# KiCad board cyberdeck-alpha.kicad_pcb (continued)
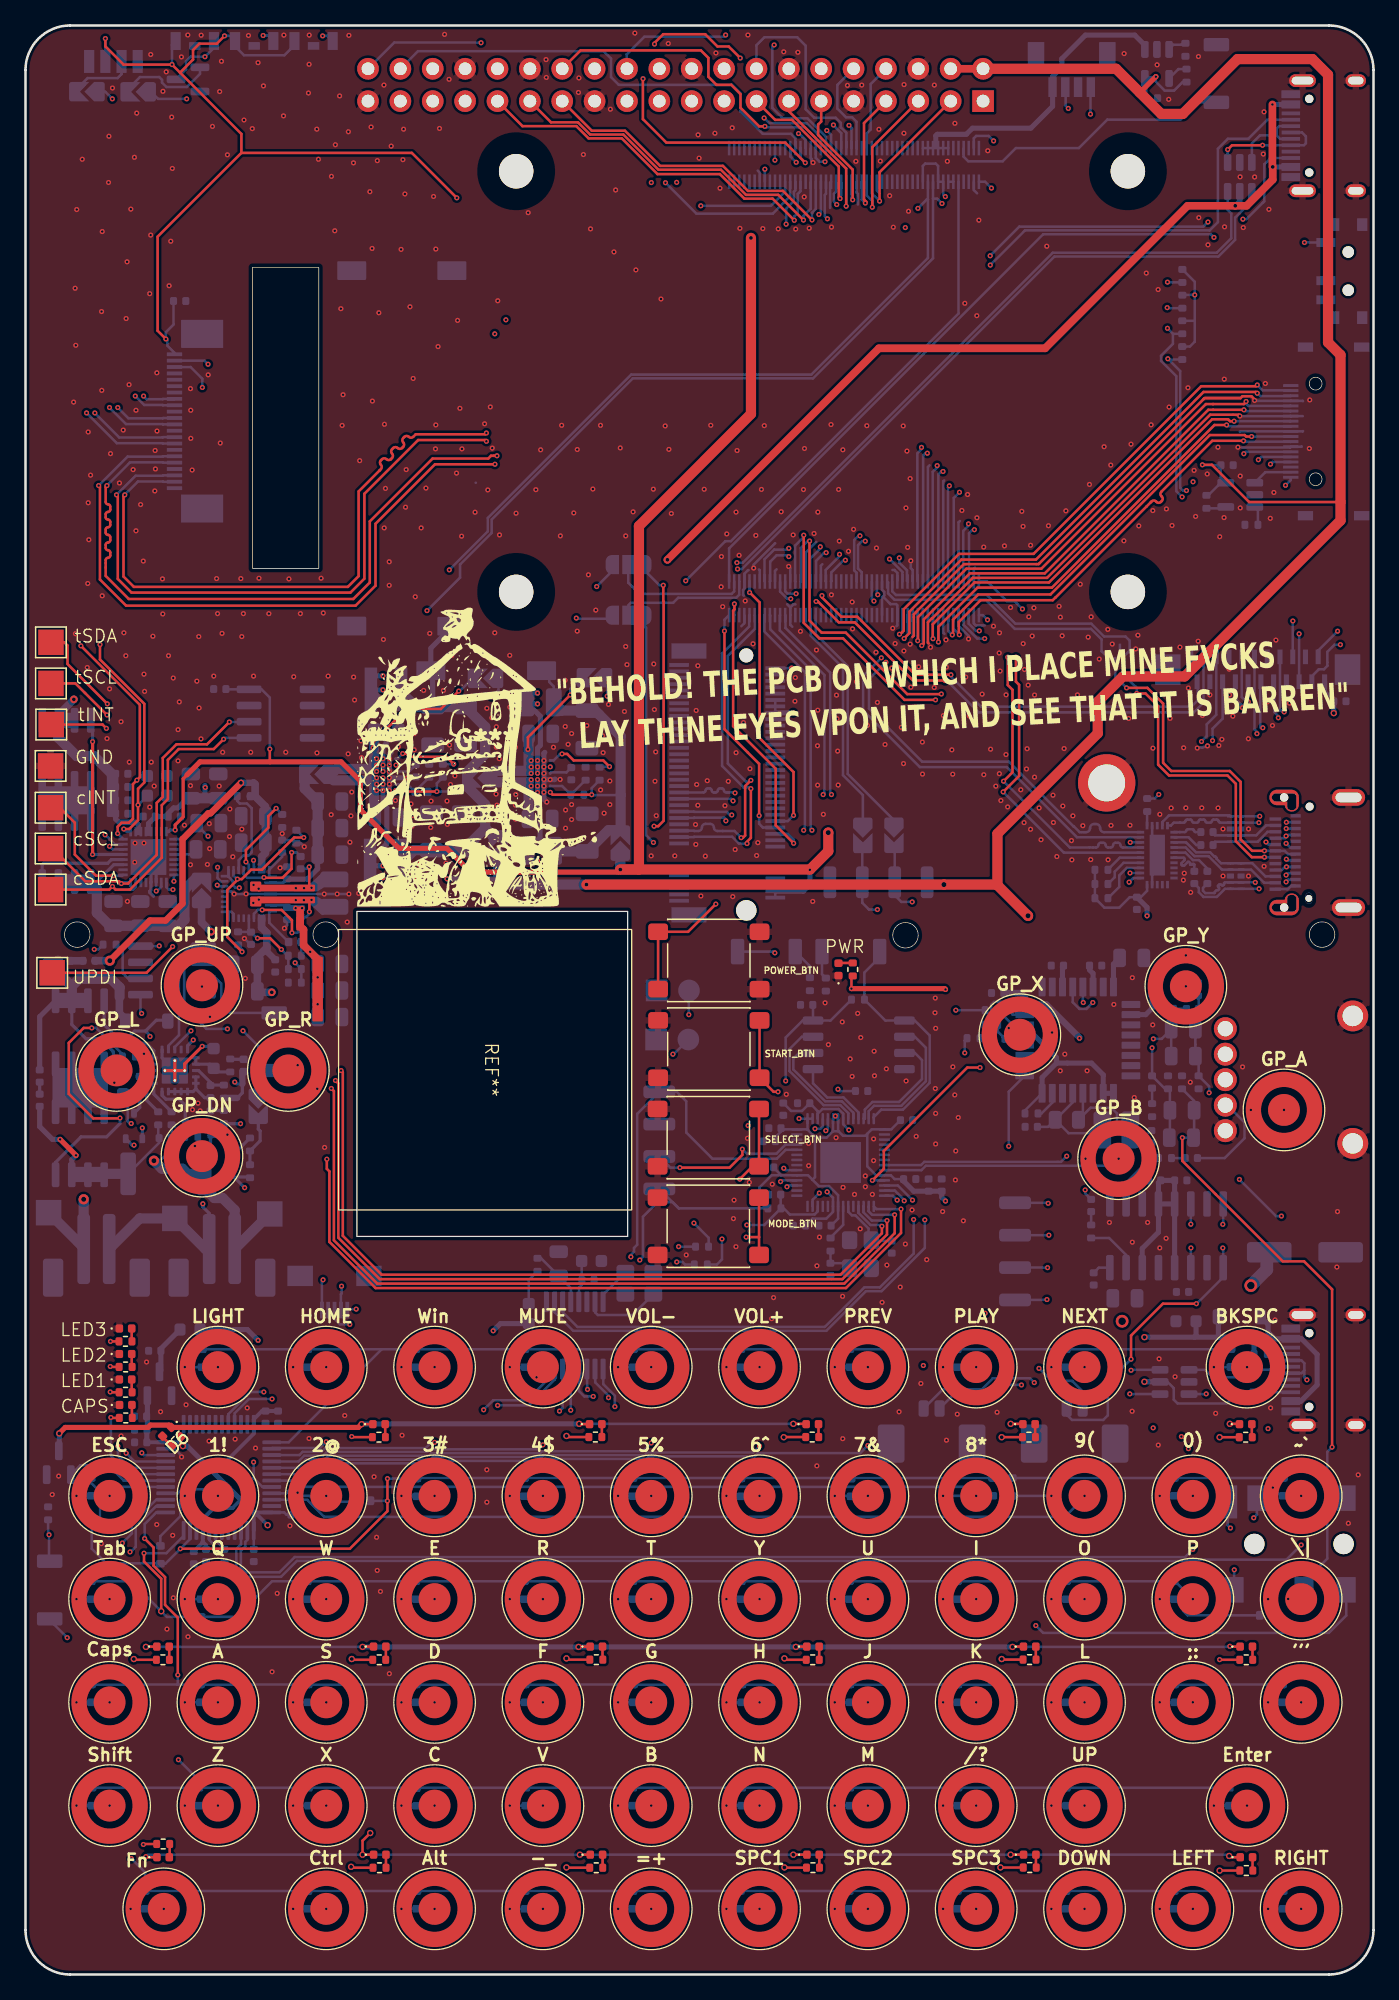
[diagram p0: board, top side]
## Nets (continued)
Net-(U12-~{EN}): R56.1 U12.4
Net-(U12-~{RSET}): R62.2 U12.3
Net-(U15-~{EN}): R61.1 U15.4
Net-(U15-~{RSET}): R63.2 U15.3
Net-(U16-SRN): R93.1 U16.7
Net-(U16-SRP): R92.2 U16.6
Net-(U17-PA6): R66.2 U17.2
Net-(U18-I2Ct_IRQ): TP6.1 U18.10
Net-(U18-I2Ct_SCL): TP8.1 U18.9
Net-(U18-I2Ct_SDA): TP7.1 U18.8
Net-(U18-LDO_1V5): C105.1 U18.4
Net-(U19-CURRENT_MODE): R69.2 U19.3
Net-(U19-DIR): R67.2 U19.11
Net-(U19-PORT): R70.2 U19.4
Net-(U19-TX1N): C73.1 U19.16
Net-(U19-TX1P): C72.1 U19.17
Net-(U19-TX2N): C75.1 U19.20
Net-(U19-TX2P): C74.1 U19.21
Net-(U19-VBUS_DET): R68.2 U19.5

Pads without a net: BT1 MP; BT2 MP; C20 1; J6 A8 B8; J11 5 6 MP; J12 17; J13 A8 B8; J16 5 6 7 8 10 11 13 17 19 20 22 23 24 25 26 28 29 30 31 32 34 35 36 37 38 40 42 44 46 48 56 58 67 68 69; J20 MP; J21 A8 B8; LS1 MP; LS2 MP; Module2 3 4 5 6 9 10 11 12 15 17 18 20 21 57 61 62 63 64 67 68 69 70 72 73 75 89 91 95 99; Module3 111 143 145 146 147 148 149 152 154 158 160 164 166; S1 3 MP; U4 6 7 12; U5 2 3 4 5 28 35 36 37 40 41; U7 9; U8 5; U9 4 5 6 7 8 11 14 18 19; U16 14; U17 3; U18 2 3 5 6 7 13 18 30 31; U19 22 23 24 25 26 27

## Via types
v1: diameter 0.4, hole 0.2, Top to Bottom, 1370 vias
v2: diameter 0.5, hole 0.3, Top to Bottom, 38 vias
v3: diameter 0.6, hole 0.3, Top to Bottom, 9 vias
v4: diameter 0.8, hole 0.4, Top to Bottom, 6 vias
v5: diameter 1, hole 0.6, Top to Bottom, 2 vias

## Routing (per net, layer and track width the routed paths; a pad name or vN(x,y) marks a point on that pad's centre or on a via; arc(x,y) is an arc through that point)
+3.3V: length 351
  Top w0.2: R3.2 12.19,41.61 v2(12.35,41.45) ; R7.2 9.29,10.24 v1(9.25,10.2) ; v2(93.7,8.15) 93.71,8.16 R2.2 ; R9.2 25.65,42.16 v1(25.6,42.2) ; R8.2 76.51,8.39 v2(76.5,8.4) ; R6.2 v2(93.7,42.15) ; v2(59.5,42.15) 59.52,42.17 R18.2 ; v2(59.55,24.8) 59.66,24.69 R16.2 ; R17.2 42.55,24.7 v2(42.45,24.8) ; v1(93.7,24.7) 93.71,24.69 R4.2 ; R19.2 42.48,8.38 v2(42.45,8.4) ; R11.2 25.66,24.69 v2(25.6,24.75) ; v2(76.6,42.15) 76.61,42.16 R12.2 ; v2(59.55,8.4) 59.57,8.38 R14.2 ; v2(25.55,8.45) 25.63,8.38 R13.2 ; R15.2 42.54,42.17 v2(42.45,42.25) ; R5.2 8.56,24.69 v2(8.5,24.75) ; v2(76.6,24.75) 76.65,24.71 R10.2
  In1.Cu w0.2: v2(25.55,8.45) 25.6,8.5 v2(25.6,24.75) 25.65,24.8 ; v1(93.7,24.7) 92.73,23.73 77.63,23.73 v2(76.6,24.75) ; v2(59.5,42.15) 59.55,42.1 v2(59.55,24.8) ; v1(9.25,10.2) 8.5,10.95 v2(8.5,24.75) 4.95,24.75 v1(3.28,26.43) ; 25.6,33.85 v1(25.6,42.2) ; v2(42.45,42.25) v2(42.45,24.8) v2(42.45,8.4) ; v2(76.6,24.75) 76.5,24.65 v2(76.5,8.4) ; v2(76.6,24.75) v2(76.6,42.15) ; 59.6,24.75 v2(59.55,24.8) ; v2(59.55,24.8) v2(59.55,8.4) ; v2(93.7,42.15) v2(93.7,8.15)
  In1.Cu w0.4: v2(19,35.25) 20.4,33.85 25.6,33.85 v2(25.6,24.75) v2(8.5,24.75) ; 25.65,24.8 v2(42.45,24.8) v2(59.55,24.8) ; v2(76.6,24.75) 59.6,24.75
  Bottom w0.2: U2.48 20.3,36.25 20.48,36.08 C7.2 ; 1.85,27.88 1.85,27.85 v1(3.28,26.43) ; U2.1 C4.2 ; 9.56,43.79 9.56,43.79
  Bottom w0.3: v2(19,35.25) 18.15,36.1 18.05,36.1 ; U2.1 17.91,35.96 18.05,36.1 ; 14.8,39.35 14.84,39.35 17.91,42.43 U2.36 17.91,43.56 18.55,44.2 C10.2 C11.2 ; C9.2 13.9,33.88 13.9,33.95 ; C8.2 14.16,33.69 13.9,33.95 ; 18.05,36.1 18.2,36.25 U2.48 ; 16.9,37.25 16.25,36.6 14.78,36.6 13.91,35.74 U2.9 13.91,33.96 13.9,33.95 ; C5.2 U2.24 12.05,41.75 v2(12.35,41.45)
  Bottom w0.4: 18.05,36.1 12.7,41.45 v2(12.35,41.45) ; C5.2 C6.2 9.56,42.78 U3.2
+3.3V_MAIN: length 502
  Top w0.2: v1(6.27,151.88) 6.27,151.27 7.7,149.84 v1(11.5,149.84) 12.13,149.21 ; 19.2,95.14 19.17,95.16 v1(19.17,96.14) ; 12.13,149.21 13.15,150.23 13.15,150.98 13.65,151.48 15.01,151.48 v1(15.62,152.09) ; 12.13,149.21 16.94,144.39 16.94,142.91 ; v1(11.02,128.31) 10.37,128.96 10.37,136.33 16.94,142.91 ; 16.94,142.91 30.32,142.91 v1(33.84,139.38) ; v1(64.81,77.34) 64.81,78.23 R24.1
  Top w0.25: v1(11.75,89.79) 11.75,90.19 12.37,90.81 12.37,93.81 12.67,94.11
  Top w0.4: v1(64.81,77.34) 72.13,77.34 v1(72.19,77.28) ; 12.67,94.11 13.7,95.14 24.77,95.14 26.28,93.63 26.28,91.38 29.31,88.35 33.07,88.35 34.93,86.49 46.48,86.49 v3(46.68,86.69)
  Top w0.8: v4(62.99,89.58) 62.99,88.12 61.56,86.69 v3(46.68,86.69) 48.14,86.69 48.14,113.64 56.93,122.43 v3(56.93,136.24)
  In1.Cu w0.2: v1(86.69,88.82) 88.09,90.22 88.09,91.77 88.9,92.58 v1(88.93,92.58) 88.93,95.55 ; v4(62.99,89.58) 62.97,89.58 ; v1(25.95,52.2) 26.62,52.87 31.55,52.87 32.92,54.25 45.6,54.25 47.15,55.8 47.95,55.8 v1(48.2,56.05) ; v1(60.25,98.99) 60.23,99.01 59.77,99.01 59.37,99.41 59.37,102.5 ; 59.37,102.5 59.37,113.68 33.84,139.21 v1(33.84,139.38) ; 59.37,102.5 v1(60.12,102.5)
  In1.Cu w0.4: v2(102.66,98.96) 101.97,98.27 99.95,98.27 97.23,95.55 87.83,95.55 87.23,96.15 83.03,96.15 76.46,89.58 63,89.58 v4(62.99,89.58) 65.76,86.81 65.76,78.3 v1(64.81,77.34) ; v1(72.19,77.28) 72.04,77.13 72.04,60.83 v1(72.19,60.68) ; 62.97,89.58 60.25,92.31 v1(60.25,98.99)
  In1.Cu w0.8: J15.17 58.47,143.32 72.55,143.32 75.14,145.91 J15.1 ; 59.64,143.32 59.64,140.77 56.93,138.06 v3(56.93,136.24)
  In2.Cu w0.2: v1(63.75,69.45) 63.35,69.05 63.35,67.55 v1(63.55,67.35) ; v1(59.65,70.1) 59.65,69.85 60.7,68.8 v1(60.7,67.15)
  Bottom w0.2: v1(60.12,102.5) 60.1,102.48 J16.2 J16.4 ; v1(63.75,69.45) 63.89,69.31 C29.2 ; 51.26,60.1 R31.2 58.1,60.1 57.6,60.6 57.6,61.75 58.55,62.7 59.3,62.7 ; 51.26,60.1 50.77,60.6 49.6,60.6 48.45,59.45 48.45,56.3 v1(48.2,56.05) ; 51.26,60.1 J4.1 ; v1(60.7,67.15) 60.71,67.14 U5.43 ; J11.1 11.69,127.22 11.14,127.78 11.14,128.19 v1(11.02,128.31) 11.02,128.84 11.62,129.44 C79.1 ; U1.8 60.98,74.84 59.65,73.5 v1(59.65,70.1) ; U1.8 61.8,76.05 C35.1 ; U1.8 63.17,74.84 R26.1 ; J16.70 J16.72 J16.74 ; C31.2 68.2,62.4 67.9,62.7 U5.10 66.75,62.7 66.05,63.4 66.05,65.95 ; C123.1 15.75,100.82 U22.8 18.52,100.82 19.17,100.17 v1(19.17,96.14) ; U5.43 61.36,66.31 61.35,66.3 ; U5.43 U5.44 ; v1(15.62,152.09) 16.04,152.09 D28.1 ; C23.2 63.76,59.3 U5.22 63.76,61.14 63.05,61.85 62.25,61.85 61.75,62.35 61.75,62.35 ; J7.5 25.33,52.2 v1(25.95,52.2) ; 59.3,62.7 58.71,63.29 58.71,63.48 ; 59.3,62.7 U5.33 61.4,62.7 61.75,62.35 ; 66.05,65.95 66.4,66.3 U5.1 67.93,66.3 C30.2 ; 66.05,65.95 65.9,65.8 64.15,65.8 63.8,66.15 63.35,66.15 62.85,65.65 62,65.65 61.75,65.9 ; D27.1 11.5,151.39 v1(11.5,149.84) ; 61.75,62.35 61.95,62.55 61.95,65.7 61.75,65.9 ; U19.8 v1(86.69,88.82) ; 16.46,151.67 16.46,151.25 17.15,150.57 20.32,150.57 21.11,151.36 D29.1 ; 61.35,66.3 U5.42 59.38,66.3 C27.2 59.28,66.13 58.84,65.69 C25.2 ; 61.35,66.3 61.75,65.9 ; 63.36,66.15 U5.48 63.55,67.33 v1(63.55,67.35) U5.49 63.76,66.15 ; R67.1 88.61,92.26 v1(88.93,92.58) ; v1(6.27,151.88) J19.2 ; 64.8,77.35 v1(64.81,77.34) ; J16.12 J16.18
  Bottom w0.25: U18.32 11.22,89.66 11.35,89.79 v1(11.75,89.79)
  Bottom w0.4: v1(61.55,86.67) 61.55,85.5 61.03,84.98 J16.72 ; J20.1 101.94,100.61 C83.1 v2(102.66,98.96) ; J16.16 60.24,98.98 v1(60.25,98.99) ; v1(72.19,60.68) 71.89,60.98 71.89,61.45 69.7,61.45 68.9,62.25 C31.2 68.92,62.4
  Bottom w0.8: SJ13.1 46.67,87.03 46.68,87.03 v3(46.68,86.69)
+5V_CM5: length 24.9
  Bottom w0.2: Module2.77 Module2.87
  Bottom w0.4: 71.43,143.41 71.43,144.25 71.55,144.37 73.83,144.37 74.31,144.85 78.89,144.85 80.59,146.55 J1.4 80.59,148.89 81.32,149.62 81.32,150.3 83.17,152.15 87.04,152.15 87.83,151.35 U15.1
+5V_HDMI: length 3.2
  Bottom w0.2: U12.1 97.28,117.86 J12.18
+5V_HUB: length 2.8
  Bottom w0.2: F3.2 39.49,54.48 R42.2
+5V_KB: length 4
  Bottom w0.4: F1.2 10.62,49.09 C2.1 ; 10.65,48.96 C2.1 ; C2.1 10.62,47.4 U3.3
+5V_MAIN: length 413.5
  Top w0.2: 103.19,115.52 96.02,115.52 93.1,118.44 v1(92.35,118.44)
  Top w0.4: v1(88.7,148.89) 87.45,147.64 87.44,147.64
  Top w0.6: J15.2 J15.4
  Top w0.8: 76.24,85.48 76.22,85.51 v4(72.07,85.51) v3(44.02,85.51) ; 76.24,85.48 76.27,85.51 76.27,89.5 84.14,97.37 84.14,99.86 86.12,101.84 90.96,101.84 103.19,114.07 103.19,127.06 102.21,128.04 102.21,149.04 100.98,150.27 95.11,150.27 90.81,145.97 89.12,145.97 85.58,149.51 J15.2 ; 76.24,85.48 v4(78.67,83.06)
  In1.Cu w0.4: v1(98.92,89.32) 99.25,89.32 99.62,88.95 99.62,87.29 ; v1(33.08,85.96) 31.8,84.68 28.27,84.68 18.59,94.36 15.34,94.36 v1(14.11,93.13) ; v1(98.95,86.9) 99.23,86.9 99.62,87.29 ; v1(82.7,73.45) 82.7,74.3 78.67,78.33 v4(78.67,83.06) v1(88.01,83.06) 96.22,83.06 96.79,82.49 99.86,82.49 100.59,83.22 101.24,83.22 101.76,83.74 101.76,85.9 100.37,87.29 99.62,87.29
  In2.Cu w0.4: v1(82.7,73.45) 82.4,73.15 82.4,69.2 78.65,65.45 78.65,50.5 ; 78.65,50.5 36.65,50.5 35.9,49.75 v1(18.25,49.75) ; 78.65,50.5 85.3,50.5 v5(86.05,51.25)
  In2.Cu w1: v5(86.05,51.25) 88.85,54.05 v5(96.15,54.05)
  Bottom w0.2: U19.30 88.01,85.02 87.51,84.52 C17.1 86.65,84.52 85.83,83.7 84.66,83.7 R69.1 R68.1 ; v1(92.35,118.44) 92.38,118.41 C66.2 ; v1(88.7,148.89) 88.7,148.49 89.39,147.8 90.13,147.8 90.79,148.46 R61.2 ; J21.A4 98.82,89.15 99.07,89.4 J21.B9 ; R56.2 92.8,116.04 93.79,117.03 U12.5 93.79,117.42 93.79,118.41 ; J21.B4 v1(98.95,86.9) 98.83,86.9 98.58,86.65 J21.A9
  Bottom w0.4: v1(36.7,50.5) 37.26,51.06 F3.1 ; v1(18.25,49.75) 17.4,50.6 F1.1 ; U8.12 88.9,62.12 C36.1 C53.2 U8.13 ; U8.12 88.9,58.23 87.63,56.96 U8.6 ; U8.12 U8.13 ; v1(88.7,148.89) 88.56,148.75 U15.5 ; 14.08,93.28 14.08,92.32 ; v1(33.08,85.96) 37.08,85.96 37.1,85.94 ; 87.84,148.75 87.84,147.23 C67.2 ; U8.13 U8.4 ; 90.26,53.5 C37.1 ; v1(88.01,83.06) 88.01,83.72 C17.1 ; C122.1 12.71,92.28 12.29,91.86 12.29,91.86 11.96,91.52 11.62,91.52 10.95,90.85 C120.1 10.2,90.84 9.65,90.3 9.65,89.61
  Bottom w0.5: 76.85,77 78.1,77 78.4,76.7 U9.24 80.1,76.1 82.7,73.5
  Bottom w0.8: v4(72.07,85.51) 70.92,85.51 J5.4 ; C122.1 C121.1 ; SJ12.1 37.1,85.94 37.53,85.51 v3(44.02,85.51)
  Bottom w1: C38.1 97.4,56.46 97.4,55.3 v5(96.15,54.05)
+5V_PORT: length 26.2
  In1.Cu w0.4: v2(87.8,46.5) v2(87.8,50)
  Bottom w0.2: U6.5 89.61,46.49 90.1,46 90.1,45.1 90.4,44.8 94.25,44.8 95.11,45.66 R40.2
  Bottom w0.4: 96.41,45.76 R40.2 ; v2(87.8,46.5) 89.01,46.5 U6.5 ; 93.6,50 D_69.2 ; 93.6,50 91.7,50 ; 93.6,50 95.85,50 96.41,49.44 R41.2 ; 91.7,50 v2(87.8,50) ; 91.7,50 91.85,50.15 F4.2
+VBATT: length 7.8
  Bottom w0.2: 18.93,88.7 C96.2
  Bottom w0.4: 18.53,86.67 18.54,86.68
  Bottom w0.6: 18.02,92.44 18.83,91.63 C95.1 C96.2 18.83,87.99 18.54,87.7 18.54,86.68 ; 18.02,92.44 18.02,93.38 NT6.2 ; 18.02,92.44 R71.2
+VBUS: length 134.4
  Top w0.4: 97.84,141.83 v3(97.87,141.81)
  Top w0.6: v3(97.87,141.81) 97.87,140.81 95.82,138.76 v3(94.93,138.76) 91.19,138.76 80.01,127.58 66.96,127.58 v3(50.37,110.99) ; v1(97.84,146.71) 97.84,141.83
  In1.Cu w0.6: v3(50.37,110.99) 42.15,102.76 6.52,102.76 v3(3.8,100.04)
  Bottom w0.4: C114.1 7.07,90.65 7.32,90.4 8.66,90.4 8.86,90.2 8.86,89.67 ; J13.A4 v1(97.84,146.71) ; J13.A9 v3(97.87,141.81) ; v3(94.93,138.76) 95.28,139.11 95.28,139.88
  Bottom w0.6: v3(3.8,100.04) 2.57,98.81 2.57,98.4 2.58,98.39
  Bottom w0.8: 2.58,98.39 2.58,97.03 4.01,95.59 5.37,95.59 6.83,94.13 6.83,92.64 6.84,92.63
/3V3_IN: length 20.2
  Top w0.2: v1(39.43,96.11) 39.43,97.07 v1(42.75,100.39)
  In2.Cu w0.4: v1(39.68,92.73) v1(39.68,93.73) ; v1(39.68,94.23) v1(39.68,95.23)
  Bottom w0.2: v1(42.75,100.39) 42.75,100.85 SJ8.2
  Bottom w0.4: v1(39.68,93.73) 39.68,93.43 ; v1(39.68,94.23) 39.68,94.5
  Bottom w0.8: 39.45,93.53 37.15,93.53 37.15,93.54 ; 39.48,94.43 36.84,94.43 36.8,94.39 ; 39.43,97.28 C61.2 ; 39.48,90.68 39.48,93.23 ; 39.48,97.31 39.48,94.71
  vias: v1(39.68,94.73) v1(39.68,93.23)
/3V3_MAIN: length 30.1
  Top w0.2: v1(41.18,92.74) 41.36,92.56 v1(44.43,92.56)
  Bottom w0.2: v1(44.43,92.56) 44.45,92.53 46.7,92.53 46.7,92.53 ; v1(44.43,92.56) 44.43,93.07 R51.2 ; v1(44.43,92.56) R52.2 ; L4.2 41.45,101.05 41.1,101.4 41.1,101.69 40.5,102.29
  Bottom w0.8: L4.2 42.1,99.16 C64.2 44.7,99.16 46.7,97.16 46.7,89.81 SJ13.2 45.75,89.78 C65.2 41.53,88.11 L3.2
/3V3_SHIP_MODE_OFF: length 26.3
  In1.Cu w0.2: v1(14.33,89.3) 13.52,88.49 13.52,79.95 17.07,76.4 v1(17.07,74.04)
  Bottom w0.2: U18.1 11.66,89.08 12.54,89.08 13.38,89.92 13.7,89.92 ; v1(14.33,89.3) 13.44,90.19 C104.1 ; v1(17.07,74.04) 18.27,72.84 SJ14.1
/5V_IN: length 25.7
  Top w0.2: v1(34,100.69) 32.6,99.29 29.9,99.29 27.28,96.66 v1(27.28,96.23)
  In2.Cu w0.4: v1(27.55,94.38) v1(27.55,95.38) ; v1(27.55,92.88) v1(27.55,93.88)
  Bottom w0.2: SJ9.2 34.08,100.69 v1(34,100.69)
  Bottom w0.4: v1(27.55,94.38) 27.55,94.65 27.35,94.86 ; 27.35,93.38 27.55,93.58 v1(27.55,93.88)
  Bottom w0.8: C54.2 27.35,90.83 27.35,93.66 27.33,93.68 24.18,93.68 ; C55.2 27.35,94.86 27.35,94.58 24.65,94.58 ; 24.4,94.58 24,94.18
  vias: v1(27.55,94.88) v1(27.55,93.38)
/5V_MAIN: length 41.2
  Top w0.2: v1(29.05,92.88) 29.13,92.81 v1(32.28,92.81)
  Bottom w0.2: v1(32.28,92.81) 34.29,92.81 34.67,93.19 ; v1(32.28,92.81) 32.28,93.45 R48.2 ; v1(32.28,92.81) 31.61,92.81 R49.2 ; 31.81,102.29 31.95,102.14
  Bottom w0.4: 33.53,105.77 31.81,104.05 31.81,102.29 ; 31.95,102.14 C57.2
  Bottom w0.8: 36.08,89.93 C58.2 30.5,88.21 29.7,87.41 L1.2 ; 36.08,89.93 36.08,91.78 34.67,93.19 34.67,94.36 36.08,95.76 36.08,97.88 C59.2 30.65,99.43 29.47,100.61 29.47,100.83 ; 36.08,89.93 36.65,89.36 37.3,89.36
/GND_OUT: length 24.7
  Bottom w0.25: 7.67,70.67 R87.1 6.9,71.41 6.9,72.39 5.87,73.41 4.75,73.41 3.63,74.53 3.63,76.39
  Bottom w0.4: 2.36,76.39 1.12,75.15 C90.1
  Bottom w0.6: 7.37,76.72 7.37,75.42 7.92,74.87
  Bottom w0.8: 3.63,77.53 3.63,76.39 ; 3.63,77.53 2.56,78.61 C91.2 ; 3.63,77.53 4.22,78.12 6.71,78.12 7.39,77.44 7.39,76.72
GND: length 189
  Top w0.2: 69.6,104.93 69.71,105.04 69.71,106.71 69.88,106.88 69.88,106.89 73.64,110.65 79.5,110.65 92.45,123.6 92.45,123.61 92.51,123.67 95.34,123.67 95.49,123.82 96.2,123.82 96.44,123.58 96.46,123.58 ; 95.25,122.3 95.18,122.37 92.96,122.37 80.16,109.57 74.33,109.57 71.16,106.4 71.13,106.4 70.81,106.08 70.81,104.47 70.87,104.42
  Bottom w0.2: 70.94,118.4 70.81,118.27 Module3.179 ; Module3.161 67.21,108.64 67.39,108.47 67.39,108.19 67.29,108.09 ; 56.37,108.16 56.31,108.23 56.31,108.62 56.41,108.72 Module3.107 56.41,109.89 56.7,110.18 56.74,110.18 ; 60.17,105.74 60.01,105.89 Module3.126 60.01,107.25 ; Module3.162 67.21,108.01 67.29,108.09 ; v1(19.98,86.82) 20.06,86.9 C107.2 ; U2.8 14.41,34.1 14.8,33.71 14.8,33.45 ; 60.42,107.49 60.25,107.49 60.01,107.25 ; v1(25.38,84.77) v1(24.46,84.77) v1(23.45,84.77) 17.32,84.77 v1(17.31,84.78) 17.3,84.77 v1(16.38,84.77) 16.36,84.77 16.16,84.97 U4.13 ; Module3.197 74.41,110.28 74.51,110.38 ; 56.18,105.78 56.41,106.01 Module3.108 ; U19.29 88.41,86.24 88.46,86.29 ; Module2.33 61.61,142.5 61.68,142.44 61.68,142.27 v1(61.8,142.15) ; 95.29,121.02 95.33,121.06 J12.10 100.22,121.06 100.24,121.08 ; Module3.113 57.61,110.17 57.56,110.23 ; 63.14,138.6 63.14,140.57 Module2.42 ; 75.27,105.84 74.57,105.84 74.41,106 Module3.198 ; v1(59.89,110.47) 60.01,110.34 Module3.125 ; v1(21.88,88.48) 21.6,88.76 R74.1 21.02,89 C94.2 20.15,89.01 v1(20.15,89.51) R72.1 ; J12.7 99.26,122.28 ; J12.7 99.28,122.25 95.21,122.25 95.16,122.31 ; J12.7 100.22,122.26 ; 100.24,123.43 100.22,123.46 J12.4 96.63,123.46 96.58,123.51 ; v1(69.47,110.91) 69.47,110.33 69.61,110.18 Module3.173 ; v1(92.75,96.39) 92.67,96.31 92.41,96.31 92.36,96.26 91.99,96.26 ; 100.14,119.88 100.12,119.86 J12.13 99.22,119.8 95.44,119.8 ; 20.53,82.81 20.53,82.32 20.32,82.11 v1(20.32,82.08) ; 60.01,107.25 59.77,107.5 ; Module2.98 74.41,139.99 74.67,139.74 ; U2.23 11.7,41.25 12.25,40.7 v1(12.25,40.6) ; Module3.174 69.61,104.99 ; U19.12 88.41,89.39 88.43,89.37 ; C76.1 17.64,80.82 v1(17.18,81.28) ; 62.53,110.64 62.41,110.52 Module3.137 ; 72.11,105.18 72.01,105.27 Module3.186 ; v1(57.14,110.34) 57.14,110.6 58.81,112.28 58.82,112.28 ; 70.84,104.54 70.81,104.56 Module3.180 ; Module3.185 72.01,117.14 72.09,117.22 ; v1(74,104.78) 74,105.02 73.21,105.8 Module3.192 ; 73.32,114.03 73.21,113.92 Module3.191 ; Module3.114 57.61,105.13 57.6,105.12 ; 62.06,112.39 61.21,111.54 Module3.131 ; J21.A12 98.98,85.15 98.98,85.15 99.06,85.15 99.31,85.4 J21.B1 ; 67.03,139.73 66.81,139.94 Module2.60 ; 67.29,108.09 67.84,107.55 67.84,107.54 67.87,107.51 68.32,107.51 68.41,107.41 Module3.168 68.41,105.85 68.34,105.78 ; 58.94,110.24 58.81,110.11 Module3.119 ; 57.46,141.52 57.61,141.36 Module2.14 ; Module3.167 68.41,109.96 68.18,110.19 68.03,110.19 ; Module2.52 65.21,139.79 65.32,139.69 65.32,138.86
  Bottom w0.25: 10.24,86.37 10.25,86.35 10.25,85.67 ; 9.06,86.38 9.05,86.37 9.05,85.67 ; 9.86,86.37 9.85,86.36 9.85,85.67 9.84,85.66 9.84,85.08 9.75,84.99 9.75,84.89 10.05,84.59
  Bottom w0.4: v1(28.55,93.88) 29.55,93.88 ; 28.7,95.88 28.55,95.73 v1(28.55,95.38) v1(28.55,94.88) v1(28.55,94.38) 28.55,92.56 28.73,92.38 ; U11.C3 v1(41.18,93.74) 41.51,93.74 41.55,93.78 ; 40.75,95.88 40.68,95.81 v1(40.68,95.23) v1(40.68,94.73) v1(40.68,94.23) v1(40.68,93.76) v1(40.68,93.23) v1(40.68,92.74) 40.68,92.2 v1(40.9,91.98)
  vias: v1(2.1,37.65) v1(2.6,39.1) v1(3.78,123.36) v1(3.9,132.29) v1(3.95,127.81) v1(3.92,105.19) v1(4.02,138.46) v1(4.46,142.41) v1(4.92,121.01) v1(4.92,115.46) v1(4.89,109.13) v1(4.85,102.54) v1(4.97,112.56) v1(5.11,117.63) v1(6.02,136.74) v1(5.97,130.46) v1(5.99,124.28) v1(6.02,108.16) v1(5.95,33.8) v1(6.4,96.96) v1(6.55,144.21) v1(6.52,140.59) v1(6.6,100.86) v1(6.67,119.31) v1(6.83,148) v1(7.37,117.01) v1(7.5,98.29) v1(7.5,42.25) v1(7.67,121.16) v1(7.72,105.26) v1(7.9,129.91) v1(7.87,103.46) v1(7.97,134.36) v1(8,84.19) v1(8.13,124.73) v1(8.15,95.11) v1(8.27,138.5) v1(8.55,142.56) v1(8.45,118.06) v1(8.6,88.76) v1(8.57,87.26) v1(8.73,146.03) v1(8.67,122.71) v1(8.67,113.26) v1(9.04,115.32) v1(9.25,110.89) v1(9.3,102.01) v1(9.3,88.76) v1(9.3,72.24) v1(9.35,100.66) v1(9.5,48.05) v1(9.83,150.63) v1(9.82,136.46) v1(9.75,131.86) v1(9.75,91.59) v1(9.87,95.11) v1(10,104.99) v1(10.15,116.39) v1(10.1,93.24) v1(10.17,119.56) v1(10.2,118.11) v1(10.31,125.66) v1(10.32,121.09) v1(10.3,35.3) v1(10.6,44.15) v1(10.79,147.74) v1(10.75,109.49) v1(10.77,106.74) v1(11.05,149.27) v1(11.1,27.1) v1(11.22,103.46) v1(11.27,132.49) v1(11.4,135.98) v1(11.47,145.71) v1(11.52,141.69) v1(11.6,101.71) v1(11.55,34.45) v1(11.6,29.55) v1(11.97,97.66) v1(11.97,95.21) v1(12.07,99.84) v1(12.24,150.44) v1(12.47,90.16) v1(12.6,44.7) v1(12.74,152.16) v1(12.75,26.5) v1(12.95,124.41) v1(12.95,93.27) v1(12.95,87.06) v1(12.97,122.72) v1(12.97,120.51) v1(13.08,118.03) v1(13.11,67.85) v1(13.45,101.46) v1(13.54,68.36) v1(13.6,104.96) v1(13.62,99.36) v1(13.71,67.76) v1(13.79,152.14) v1(13.77,96.94) v1(14.34,125.5) v1(14.27,87.09) v1(14.42,90.29) v1(14.4,41.85) v1(14.45,88.33) v1(14.47,75.14) v1(14.67,144.99) v1(14.77,101.86) v1(15,109.51) v1(15.07,106.76) v1(15.07,51.29) v1(15.24,147.72) v1(15.2,93.24) v1(15.29,120.15) v1(15.38,150.1) v1(15.42,105.21) v1(15.47,95.89) v1(15.85,142.76) v1(15.85,65.89) v1(16.04,91.44) v1(16.01,89.28) v1(16.27,87.69) v1(16.45,42) v1(16.9,109.51) v1(16.97,104.96) v1(16.98,89.85) v1(17.15,145.49) v1(17.1,106.76) v1(17.25,78.15) v1(17.4,44.45) v1(17.5,152.12) v1(17.67,95.89) v1(17.8,144.81) v1(17.9,101.86) v1(18.05,41.3) v1(18.25,149.99) v1(18.32,109.54) v1(18.67,148.16) v1(19.1,106.76) v1(19.35,23.75) v1(19.75,29.9) v1(20.28,152.15) v1(20.25,145.81) v1(20.42,95.89) v1(20.67,109.49) v1(20.75,35.2) v1(21.05,101.81) v1(21.57,106.76) v1(22.21,147.61) v1(22.27,152.15) v1(22.26,149.86) v1(22.25,42.05) v1(22.86,144.77) v1(22.87,95.84) v1(22.9,69.49) v1(22.99,142.41) v1(23.2,109.54) v1(23.37,106.81) v1(23.47,64.89) v1(23.75,101.86) v1(24.01,141.07) v1(23.99,90.99) v1(24.32,143.55) v1(24.27,136.8) v1(24.65,147.38) v1(24.75,130.69) v1(24.92,123.94) v1(24.85,121.53) v1(25.05,43.85) v1(25.34,144.57) v1(25.32,95.76) v1(25.25,82.57) v1(25.38,152.13) v1(25.54,90.9) v1(25.46,88.83) v1(25.6,92.77) v1(25.74,142.13) v1(25.75,101.79) v1(25.82,99.99) v1(26.15,84.82) v1(26.22,118.76) v1(26.3,98.29) v1(26.32,96.79) v1(26.37,95.46) v1(27.02,139.86) v1(27.12,144.94) v1(27.2,135.41) v1(27.22,123.44) v1(27.35,39.05) v1(27.61,142.3) v1(27.55,34.3) v1(27.6,31.7) v1(27.73,130.37) v1(27.85,30.05) v1(28.13,148.23) v1(28.15,113.49) v1(28.09,104.74) v1(28.17,121.62) v1(28.25,116.59) v1(28.54,110.83) v1(28.54,108.98) v1(28.55,93.38) v1(28.55,92.88) v1(28.55,23.6) v1(28.7,143.44) v1(29.03,92.11) v1(29.25,96.33) v1(29.47,135.34) v1(29.62,142.38) v1(29.55,42.3) v1(29.67,144.77) v1(29.77,139.69) v1(29.82,115.11) v1(29.87,118.06) v1(29.98,93.88) v1(30.17,130.84) v1(30.18,98.33) v1(30.25,91.83) v1(30.33,90.08) v1(30.42,125.21) v1(30.4,90.94) v1(30.5,97.36) v1(30.5,96.08) v1(30.59,108.09) v1(30.75,85.94) v1(30.85,87.09) v1(31.05,113.49) v1(31.25,100.74) v1(31.42,116.61) v1(31.72,105.21) v1(31.83,92.06) v1(31.8,89.99) v1(32.02,139.49) v1(32.2,135.36) v1(32.2,121.57) v1(32.17,119.69) v1(32.37,127.71) v1(32.49,144.83) v1(32.8,100.74) v1(32.89,152.21) v1(33,87.19) v1(33.08,92.06) v1(33.1,90.23) v1(33.24,148.68) v1(33.28,96.46) v1(33.35,93.36) v1(33.45,103.49) v1(33.7,94.04) v1(33.82,117.79) v1(33.91,129.77) v1(34.09,122.87) v1(34.22,112.84) v1(34.25,119.69) v1(34.25,95.46) v1(35.28,114.72) v1(35.65,87.09) v1(35.87,88.39) v1(36.03,121.66) v1(36.2,99.33) v1(36.2,39.6) v1(36.2,37.05) v1(36.28,116.47) v1(36.48,122.98) v1(36.63,119.75) v1(36.6,98.59) v1(36.82,105.26) v1(36.95,97.89) v1(36.95,96.29) v1(36.93,92.61) v1(36.95,97.18) v1(37,91.74) v1(37.06,131.31) v1(37.15,90.54) v1(37.2,112.94) v1(37.18,95.38) v1(37.65,92.59) v1(38,103.49) v1(38,99.43) v1(38.15,98.74) v1(38.22,87.96) v1(38.28,95.41) v1(38.43,97.23) v1(38.5,114.64) v1(38.5,97.94) v1(38.45,96.29) v1(38.48,92.58) v1(38.45,91.74) v1(38.45,90.64) v1(38.8,101.44) v1(39.45,138.22) v1(40.05,116.49) v1(40.42,119.61) v1(40.85,150.23) v1(40.87,148.83) v1(41.43,96.28) v1(41.97,112.86) v1(41.95,93.76) v1(42.07,121.54) v1(42.35,101.54) v1(42.35,97.91) v1(42.38,91.36) v1(42.38,89.93) v1(42.58,96.51) v1(42.85,97.36) v1(42.85,91.78) v1(42.85,90.61) v1(43.02,114.66) v1(43.3,119.64) v1(43.3,105.39) v1(43.43,148.79) v1(43.39,147.65) v1(43.78,142.78) v1(44.05,97.99) v1(44.17,109.81) v1(44.34,136.95) v1(44.52,116.54) v1(44.75,107.04) v1(45.12,121.54) v1(45.13,92.93) v1(45.28,97.18) v1(45.33,95.86) v1(45.4,91.11) v1(45.75,99.64) v1(45.9,146.34) v1(45.85,93.63) v1(45.85,91.78) v1(46.18,135.14) v1(46.31,140) v1(46.67,119.76) v1(47,99.09) v1(47.1,112.86) v1(47.1,104.19) v1(47.2,102.76) v1(47.68,114.75) v1(47.82,152.31) v1(47.9,133.73) v1(49.1,87.76) v1(49.27,116.53) v1(49.3,102.81) v1(49.35,99.24) v1(49.4,93.61) v1(49.45,95.91) v1(49.5,90.91) v1(49.87,131.45) v1(50.2,121.49) v1(50.44,151.49) v1(50.49,119.65) v1(50.68,114.62) v1(50.95,87.76) v1(51.85,56.45) v1(52.63,99.17) v1(52.58,90.22) v1(52.6,88.66) v1(52.67,93.36) v1(52.78,144.33) v1(52.76,102.68) v1(52.76,91.73) v1(52.86,142.5) v1(53,84.61) v1(53.26,116.52) v1(53.35,87.74) v1(53.5,93.66) v1(53.77,121.54) v1(54.1,144.45) v1(54.18,150.75) v1(54.5,140.14) v1(54.61,111.24) v1(54.59,108.87) v1(54.71,107.31) v1(54.89,91.7) v1(55.03,113.02) v1(55.15,93.61) v1(55.46,144.88) v1(55.5,84.56) v1(55.6,60.75) v1(55.55,59.3) v1(55.69,88.26) v1(55.84,119.56) v1(55.76,114.73) v1(55.76,95.86) v1(55.75,57.1) v1(56,111.34) v1(56.06,136.99) v1(56.34,98.22) v1(56.48,107.76) v1(56.55,101.54) v1(56.61,102.23) v1(56.69,152.16) v1(56.65,65.6) v1(56.8,62.15) v1(56.85,94.6) v1(57.09,104.4) v1(57.31,112.9) v1(57.37,87.79) v1(57.47,88.8) v1(57.75,116.51) v1(57.86,136.97) v1(57.97,121.51) v1(58.6,62) v1(58.55,51.45) v1(58.7,53.1) v1(59.07,136.95) v1(59.3,114.76) v1(59.5,150.84) v1(59.7,69.05) v1(60.24,112.94) v1(60.44,136.93) v1(60.41,101.75) v1(60.38,99.89) v1(60.61,150.8) v1(60.81,105.38) v1(61.05,116.5) v1(61.11,139.46) v1(61.13,119.72) v1(61.5,137) v1(61.45,65.2) v1(61.45,63.45) v1(61.77,84.19) v1(61.88,113.05) v1(62.07,103.91) v1(62.14,101.54) v1(62.15,96.4) v1(62.1,55.6) v1(62.1,39.91) v1(62.18,114.73) v1(62.17,99.19) v1(62.16,93.31) v1(62.3,57.85) v1(62.61,91.02) v1(62.74,76.23) v1(63,72.95) v1(63.21,121.6) v1(63.24,108.24) v1(63.25,137.09) v1(63.63,102.3) v1(63.64,100.37) v1(63.6,65.65) v1(63.68,98.52) v1(63.73,95.98) v1(63.81,116.51) v1(63.77,93.32) v1(63.86,112.46) v1(64.14,119.62) v1(64.09,74.73) v1(64.12,53.21) v1(64.13,42.04) v1(64.15,61.75) v1(64.5,148.21) v1(64.58,111.66) v1(64.72,71.83) v1(64.87,107.68) v1(64.9,105.57) v1(64.87,70.46) v1(64.98,113.38) v1(65.05,61.2) v1(65.16,142.25) v1(65.21,101.43) v1(65.17,99.14) v1(65.3,75.4) v1(65.54,73.51) v1(65.5,58.5) v1(65.62,148.23) v1(65.9,62.65) v1(65.9,61.8) v1(66.02,121.51) v1(66.07,98) v1(66.45,61.2) v1(66.59,72.43) v1(66.62,70.51) v1(66.55,65.55) v1(66.55,63.85) v1(66.74,103.73) v1(66.77,111.91) v1(66.85,99.8) v1(66.97,144.76) v1(67.08,142.27) v1(67.22,52.73) v1(67.45,96.5) v1(67.55,71.05) v1(67.59,55.66) v1(67.81,139.55) v1(68.05,105.62) v1(67.98,102.49) v1(68.1,137.08) v1(68.24,104.42) v1(68.55,44.15) v1(68.64,53.93) v1(68.73,97.85) v1(68.94,148.27) v1(68.93,144.45) v1(68.88,121.49) v1(68.93,103.84) v1(68.9,95) v1(69.04,57.31) v1(69.09,115.06) v1(69.1,70.1) v1(69.17,119.52) v1(69.22,111.96) v1(69.29,138.33) v1(69.42,117.36) v1(69.42,104.37) v1(69.47,100.99) v1(69.57,59.98) v1(69.89,65.76) v1(70.09,102.59) v1(70.26,46.37) v1(70.38,96.69) v1(70.39,94.18) v1(70.72,56.08) v1(71.02,104.13) v1(71.32,148.23) v1(71.31,100.97) v1(71.39,76.61) v1(71.37,75.46) v1(71.42,74.23) v1(71.39,69.51) v1(71.42,67.56) v1(71.42,65.16) v1(72.03,98.77) v1(71.97,59.86) v1(72.23,104.71) v1(72.34,142.25) v1(72.26,102.57) v1(72.27,41.92) v1(72.69,96.08) v1(72.76,94.17) v1(72.77,71.21) v1(72.93,145.23) v1(72.92,69.01) v1(72.99,64.61) v1(72.97,62.33) v1(73.12,43.96) v1(73.19,67.23) v1(73.48,114.86) v1(73.59,59.13) v1(73.71,131.11) v1(73.78,101.79) v1(73.93,116.11) v1(74.06,98.74) v1(74.65,130.14) v1(74.66,114.29) v1(74.81,137.63) v1(75.07,100.45) v1(75.19,111.99) v1(75.2,94.13) v1(75.51,143.08) v1(75.73,96.13) v1(75.96,105.78) v1(76.14,93.23) v1(76.24,44.11) v1(76.43,105.26) v1(76.41,103.68) v1(76.42,94.21) v1(76.48,102.26) v1(76.54,92.1) v1(76.82,112.08) v1(76.95,100.4) v1(76.94,95.71) v1(77.07,91.6) v1(77.3,107.25) v1(78.1,92.95) v1(78.18,114.79) v1(78.28,113.61) v1(78.29,104.41) v1(78.39,102.38) v1(78.36,90.37) v1(78.55,94.58) v1(78.6,96.17) v1(78.73,106.52) v1(78.68,101.16) v1(78.87,112.13) v1(78.87,89.85) v1(79,105.01) v1(79.13,107.22) v1(79.18,100.38) v1(79.18,93.94) v1(79.54,91.52) v1(79.69,89.03) v1(80.14,135.59) v1(80.27,113.66) v1(80.63,92.52) v1(80.55,73.9) v1(80.66,90.38) v1(80.93,87.71) v1(81.11,107.34) v1(81.21,106.49) v1(81.2,70.9) v1(81.35,105.03) v1(81.4,91.67) v1(81.5,96.18) v1(81.64,114.83) v1(81.55,72.2) v1(82.08,88.96) v1(82.11,87.45) v1(82.19,90.9) v1(82.55,100.39) v1(82.77,109.07) v1(82.97,90.13) v1(83.18,64) v1(83.3,70.9) v1(83.39,104.92) v1(83.49,116.9) v1(83.62,106.51) v1(83.59,87.47) v1(84.26,103.2) v1(84.64,119.86) v1(84.93,105.53) v1(84.95,87.46) v1(85.05,59) v1(85.16,118.42) v1(85.18,90.15) v1(85.28,104.38) v1(85.4,76.1) v1(86.21,150.7) v1(86.19,112.48) v1(86.57,98.54) v1(86.67,90.16) v1(86.75,120.06) v1(86.84,44.19) v1(86.85,78.2) v1(86.85,57.45) v1(87,68.8) v1(87.12,104) v1(87.29,105.07) v1(87.36,113.65) v1(87.95,133.48) v1(88.05,59) v1(88.33,121.58) v1(88.46,114.85) v1(88.47,96.21) v1(88.45,74.5) v1(88.8,149.82) v1(88.88,132.19) v1(88.89,41.54) v1(89.01,91.02) v1(89,57) v1(88.95,48.3) v1(89.53,114.98) v1(89.5,57.75) v1(89.71,147.11) v1(89.74,122.97) v1(89.81,98.55) v1(89.9,91.52) v1(89.97,113.68) v1(90.2,46.9) v1(90.59,104.14) v1(90.88,96.24) v1(90.93,86.4) v1(90.86,85.86) v1(91.05,91.53) v1(91.05,79.95) v1(91.22,124.49) v1(91.25,100.93) v1(91.42,100.37) v1(91.43,84.9) v1(91.4,70) v1(91.7,118) v1(91.82,114.39) v1(91.95,96.22) v1(92.04,150.47) v1(92.02,104.6) v1(92.07,137.83) v1(92.3,91.53) v1(92.35,98.78) v1(92.73,117.72) v1(92.79,135.7) v1(92.94,102.44) v1(92.94,100.39) v1(93.39,44.03) v1(93.57,119.82) v1(93.64,96.42) v1(93.58,91.52) v1(93.71,112.8) v1(93.88,96.9) v1(94.05,114.3) v1(93.97,89.87) v1(93.97,86.18) v1(94.09,137.11) v1(94.07,125.16) v1(94.45,102.41) v1(94.48,100.39) v1(94.74,98.72) v1(95.14,119.82) v1(95.31,141.03) v1(95.29,122.27) v1(95.32,117.56) v1(95.32,115.06) v1(95.5,71.2) v1(95.56,137.05) v1(95.94,100.5) v1(95.96,96.95) v1(95.97,89.87) v1(95.97,86.18) v1(96.15,67.83) v1(96.45,141.02) v1(96.45,123.49) v1(97.13,142.82) v1(97.19,146.13) v1(97.19,86.94) v1(97.29,124.82) v1(97.46,99.85) v1(97.57,138.48) v1(97.68,114.24) v1(97.7,44.45) v1(97.85,97.99) v1(97.96,116.27) v1(98.12,104.69) v1(98.05,51.35) v1(99.19,99.74) v1(100.74,119.72) v1(100.77,123.53) v1(102.9,55.5) v1(102.95,59.85) v1(103.8,35.4) v1(104.58,39.2)
